# Altium PCB MD2084.PcbDoc (part 2 of 4) (continued)
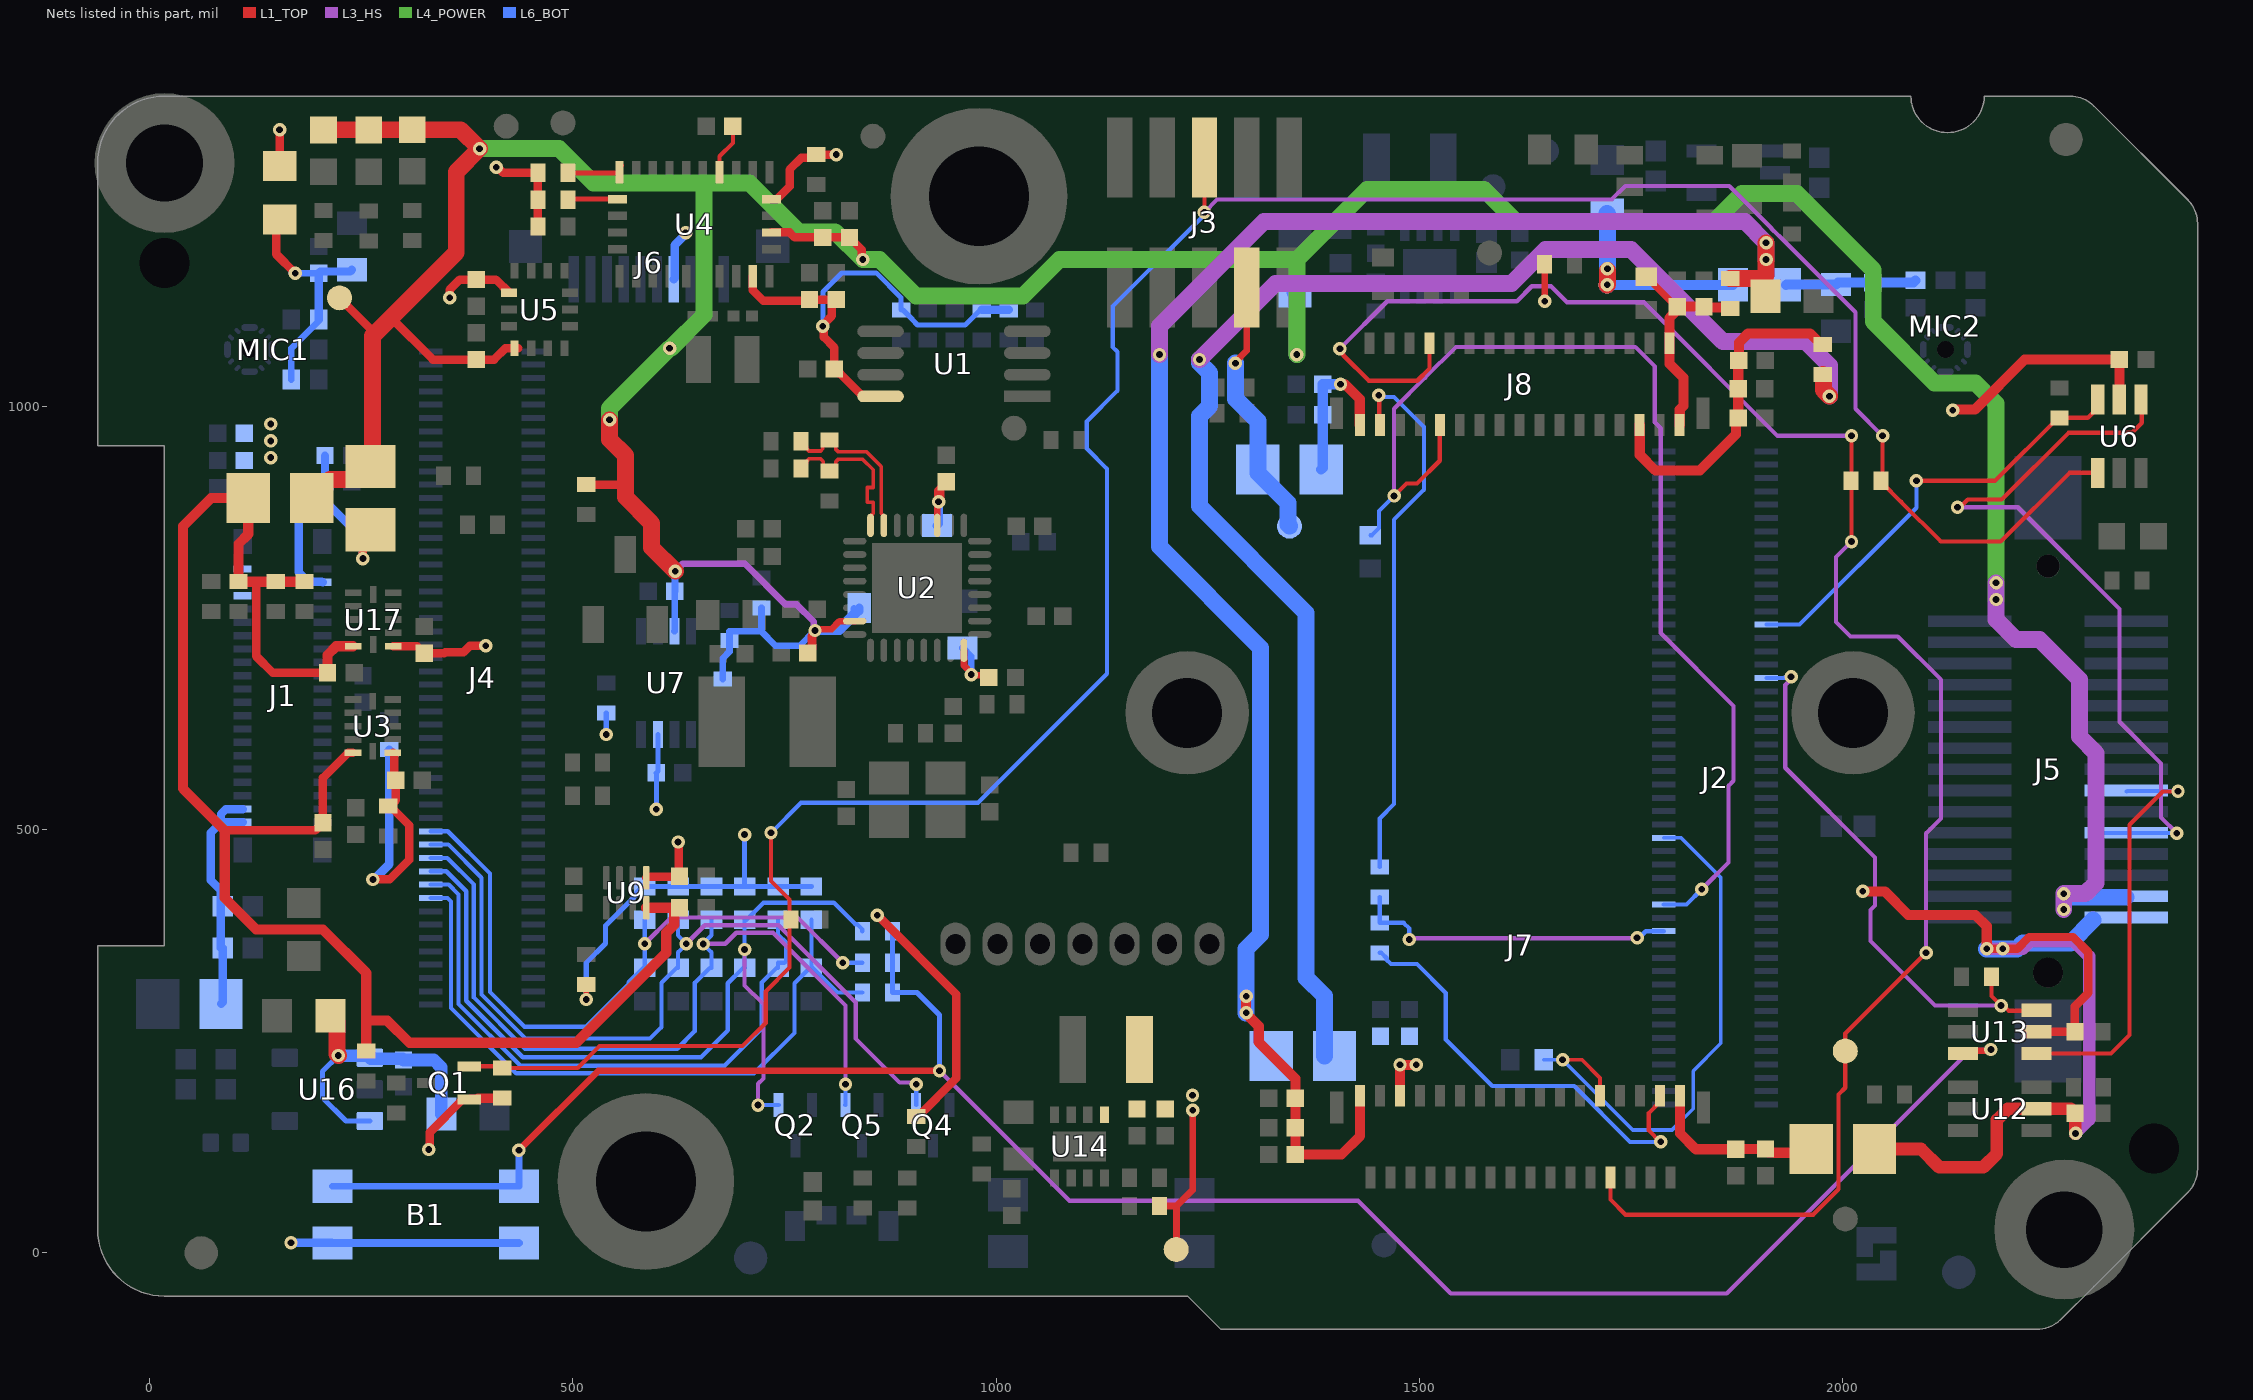
[diagram p6: the nets of this part, all layers, seen from the top]
## Part data (continued)
J9: library part CMP-00063-2, "Board Connector, 7 Contact(s), 1 Row(s), Female, Straight, 0.05 inch Pitch, Solder Terminal, Black Insulator, Socket", Contact Resistance=10mR, Insulation Color=Black, Manufacturer Series=SMS, Max Operating Temperature=125°C, Min Operating Temperature=-65°C, Rated Current (Signal)=1A, Additional Feature="TIGER BUY CONTACT", Body Breadth=0.1inch, Body Depth=0.18inch, Body Length=0.35inch, Body/Shell Style=SOCKET, Connector Type="BOARD CONNECTOR", Contact Finish - Mating="GOLD (30) OVER NICKEL (50)", Contact Finish - Termination="Tin (Sn) - with Nickel (Ni) barrier", Contact Gender=Female, Contact Material=Bronze, Contact Pattern=RECTANGULAR, Contact Style="SQ PIN-SKT", DIN Conformance=No, Filter Feature=No, IEC Conformance=No, Insertion Force-Max=2.224N, Insulation Material=Glass, JESD-609 Code=e3, Manufacturer Part Number 1=SMS-107-01-G-S, Mating Contact Pitch=0.05inch, Mating Information="MULTIPLE MATING PARTS AVAILABLE", MIL Conformance=No, Mixed Contacts=No, Mounting Style=STRAIGHT, Mounting Technology=Board, Number Of Connectors=1, Number of Contacts=7, Number Of PCB Rows=1, Number of Rows Loaded=1, Option="General Purpose", PCB Contact Pattern=RECTANGULAR, Pins=7, Plating Thickness=30uin, Reach SVHC Compliant=Yes, Reference Standard=UL, Reliability=COMMERCIAL, RoHS Compliant=Yes, System=connector, Terminal Length=0.115inch, Terminal Pitch=1.27mm, Termination=Solder, Withdrawl Force-Min=1.668N
L1: library part CMP-006-00079-1, "Inductor Power Chip Wirewound 2.2uH 20% 100KHz Ferrite 1.6A 0.078Ohm DCR 1210 T/R", Case/Package=Nonstandard, Current Rating=1.6A, Manufacturer 1="Taiyo Yuden", Saturation Current=1.85A, Self Resonant Frequency=150MHz, Tolerance=20%, Manufacturer Part Number 1=BRL3225T2R2M
L2 L4: library part CMP-082-000001-2, "FIXED IND 1UH 3.2A 42 MOHM SMD", Case/Package=1008, Current Rating=4.3A, Manufacturer=Murata, Manufacturer Part Number=DFE252012P-1R0M=P2, Tolerance=20%, Manufacturer 1=Murata, Manufacturer 2=Murata, Manufacturer 3=Murata, Manufacturer 4=Murata, Manufacturer Part Number 1=DFE252012P-1R0M=P2, Manufacturer Part Number 2=DFE252012P-1R0M=P2, Manufacturer Part Number 3=DFE252012P-1R0M=P2, Manufacturer Part Number 4=DFE252012P-1R0M=P2
L3 L5: library part CMP-009-000002-2, "FERRITE BEAD 120 OHM 0603 1LN", Case/Package=0603, Current Rating=2A, Manufacturer 1=Murata, Tolerance=25%, Manufacturer Part Number 1=BLM18PG121SN1D
MH1: library part CMP-014-000015-1, "MP ROUND STANDOFF M2X0.4 STEEL 3MM", Manufacturer 1="Wurth Electronics", ComponentLink1Description=http://www.mouser.com/ds/2/445/9774030243R-611455.pdf?src-supplier=Mouser, ComponentLink1URL=http://www.mouser.com/ds/2/445/9774030243R-611455.pdf?src-supplier=Mouser, ComponentLink2Description=http://www.farnell.com/datasheets/1960368.pdf?src-supplier=Farnell, ComponentLink2URL=http://www.farnell.com/datasheets/1960368.pdf?src-supplier=Farnell, ComponentLink3Description=https://katalog.we-online.de/em/datasheet/9774030243R.pdf?src-supplier=Digi-Key, ComponentLink3URL=https://katalog.we-online.de/em/datasheet/9774030243R.pdf?src-supplier=Digi-Key, ComponentLink4Description=http://www.farnell.com/datasheets/1960368.pdf?src-supplier=Newark, ComponentLink4URL=http://www.farnell.com/datasheets/1960368.pdf?src-supplier=Newark, ComponentLink5Description=http://www.farnell.com/datasheets/1960368.pdf?src-supplier=Element14, ComponentLink5URL=http://www.farnell.com/datasheets/1960368.pdf?src-supplier=Element14, Design Item ID=9774030243R, Length=0.173inch, Manufacturer Part Number 1=9774030243R, Material=Steel, Outside Diameter=0.171inch, Plating=Tin, Pricing 1="1=0.95000, 10=0.91800, 50=0.79500, 100=0.73900 (USD)", REACH SVHC=Unknown, RoHS=Yes, Source=LuxonisMaster.SchLib, Stock 1=20568, Threaded/Unthreaded=Threaded
MIC1 MIC2: library part CMP-104-000003-3, "60Hz ~ 20kHz Digital, I2S Microphone MEMS _Silicon_ 1.65V ~ 3.63V Omnidirectional _-26 ±1dB @ 94dB SPL_ Solder Pads", Manufacturer 1="TDK InvenSense", Category=Microphones, Design Item ID=ICS-43434, Manufacturer Part Number 1=ICS-43434
MTG1: library part CMP-090-000000-4, "Spacers/Standoffs", Manufacturer 1="Wurth Electronics", Manufacturer Part Number 1=9774030943R
Q1 Q2 Q4 Q5: library part CMP-120-000001-2, "MOSFET N-CH 20V 0.2A EMT3", Case/Package=SOT-89, Continuous Drain Current=200mA, Manufacturer 1=Rohm, Max Drain to Source Voltage=20V, Design Item ID=RE1C002UNTCL, Manufacturer Part Number 1=RE1C002UNTCL
Q3: library part CMP-074-000000-4, "TRANS PREBIAS NPN 200MW SOT23-3", Case/Package=SOT-23-3, Continuous Drain Current=100mA, Manufacturer 1=Diodes, Max Drain to Source Voltage=50V, Design Item ID=DDTC114YCA-7-F, Manufacturer Part Number 1=DDTC114YCA-7-F
R1: library part CMP-009-00009-15, "RES SMD 1K OHM 1% 0.1W 0402", Case/Package=0402, Manufacturer 1=Panasonic, Max Operating Temperature=155°C, Min Operating Temperature=-55°C, Power Rating=100mW, Tolerance=1%, Voltage Rating=50V, Manufacturer Part Number 1=ERJ-2RKF1001X
R2 R82: library part CMP-013-000016-9, "RES SMD 4.7K OHM 1% 1/16W 0402", Case/Package=0402, Manufacturer 1=Yageo, Max Operating Temperature=155°C, Min Operating Temperature=-55°C, Power Rating=62.5mW, Tolerance=1%, Voltage Rating=50V, Design Item ID=RC0402FR-074K7L, Manufacturer Part Number 1=RC0402FR-074K7L
R3 R32: library part CMP-013-000004-10, "RES SMD 1K OHM 1% 1/16W 0402", Case/Package=0402, Manufacturer 1=Yageo, Max Operating Temperature=155°C, Min Operating Temperature=-55°C, Power Rating=62.5mW, Tolerance=1%, Voltage Rating=50V, Design Item ID=RC0402FR-071KL, Manufacturer Part Number 1=RC0402FR-071KL
R4 R11 R12 R13 R14 R15 R16 R20 R21 R22 R23 R24 R25 R27 R29 R30 R31 R33 R34 R35 R37 R38 R39 R40 R41 R46 R49 R50 R52 R53 R56 R57 R61 R63 R64 R65 R71 R73 R76 R83: library part CMP-115-000004-8, "RES SMD 10K OHM 1% 1/16W 0402", Case/Package=0402, Manufacturer 1=Yageo, Max Operating Temperature=155°C, Min Operating Temperature=-55°C, Power Rating=62.5mW, Temperature Coefficient=100ppm/°C, Tolerance=1%, Voltage Rating=50V, Design Item ID=RC0402FR-1310KL, Manufacturer Part Number 1=RC0402FR-1310KL
R5: library part CMP-009-00231-10, "RES SMD 649 OHM 1% 1/16W 0402", Case/Package=0402, Manufacturer 1=YAGEO, Tolerance=1%, Voltage Rating=50V, Manufacturer Part Number 1=RC0402FR-07649RL
R6 R7 R44 R77 R80: library part CMP-013-000029-9, "RES SMD 470 OHM 1% 1/16W 0402", Case/Package=0402, Manufacturer 1=Vishay, Max Operating Temperature=155°C, Min Operating Temperature=-55°C, Power Rating=63mW, Tolerance=1%, Voltage Rating=50V, Design Item ID=CRCW0402470RFKED, Manufacturer Part Number 1=CRCW0402470RFKED
R8 R9: library part CMP-013-000012-8, "RES SMD 22 OHM 1% 1/16W 0402", Case/Package=0402, Manufacturer 1=Yageo, Max Operating Temperature=155°C, Min Operating Temperature=-55°C, Power Rating=62.5mW, Tolerance=1%, Design Item ID=RC0402FR-0722RL, Manufacturer Part Number 1=RC0402FR-0722RL
R10 R54 R59: library part CMP-115-000004-8, "RES SMD 10K OHM 1% 1/16W 0402", Case/Package=0402, Manufacturer 1=Yageo, Manufacturer Part Number 1=RC0402FR-1310KL, Max Operating Temperature=155°C, Min Operating Temperature=-55°C, Power Rating=62.5mW, Temperature Coefficient=100ppm/°C, Tolerance=1%, Voltage Rating=50V, Design Item ID=RC0402FR-1310KL
R17 R18 R19 R60 R72 R84 R108 R114: library part CMP-013-000022-11, "RES SMD 0 OHM 5% 1/16W 0402", Case/Package=0402, Manufacturer 1=Vishay, Max Operating Temperature=155°C, Min Operating Temperature=-55°C, Power Rating=63mW, Tolerance=5%, Voltage Rating=50V, Design Item ID=CRCW04020000Z0ED, Manufacturer Part Number 1=CRCW04020000Z0ED
R26 R58 R66 R69 R75 R78: library part CMP-115-000011-7, "RES SMD 0 OHM 5% 1/10W 0603", Case/Package=0603, Manufacturer 1=Vishay, Manufacturer Part Number 1=CRCW0603-0000Z0EA, Max Operating Temperature=155°C, Min Operating Temperature=-55°C, Power Rating=100mW, Temperature Coefficient=100ppm/°C, Tolerance=5%, Voltage Rating=75V, Design Item ID=CRCW06030000Z0EA
R28 R36: library part CMP-115-000016-6, "RES SMD 49.9 OHM 1% 1/16W 0402", Case/Package=0402, Manufacturer 1=Yageo, Max Operating Temperature=155°C, Min Operating Temperature=-55°C, Power Rating=62.5mW, Temperature Coefficient=100ppm/°C, Tolerance=1%, Voltage Rating=50V, Design Item ID=RC0402FR-0749R9L, Manufacturer Part Number 1=RC0402FR-0749R9L
R42: library part CMP-013-000005-8, "RES SMD 1M OHM 1% 1/16W 0402", Case/Package=0402, Manufacturer 1=Yageo, Max Operating Temperature=155°C, Min Operating Temperature=-55°C, Power Rating=63mW, Tolerance=1%, Voltage Rating=50V, Design Item ID=RC0402FR-071ML, Manufacturer Part Number 1=RC0402FR-071ML
R43: library part CMP-115-000015-6, "RES SMD 2.49K OHM 1% 1/16W 0402", Case/Package=0402, Manufacturer 1=Yageo, Max Operating Temperature=155°C, Min Operating Temperature=-55°C, Power Rating=62.5mW, Temperature Coefficient=100ppm/°C, Tolerance=1%, Voltage Rating=50V, Design Item ID=RC0402FR-072K49L, Manufacturer Part Number 1=RC0402FR-072K49L
R45 R51 R62 R85 R86 R87 R88 R89 R90: library part CMP-013-000022-11, "RES SMD 0 OHM 5% 1/16W 0402", Case/Package=0402, Manufacturer 1=Vishay, Manufacturer Part Number 1=CRCW04020000Z0ED, Max Operating Temperature=155°C, Min Operating Temperature=-55°C, Power Rating=63mW, Tolerance=5%, Voltage Rating=50V, Design Item ID=CRCW04020000Z0ED
R47 R48 R79 R81: library part CMP-013-000013-8, "RES SMD 2.2K OHM 1% 1/16W 0402", Case/Package=0402, Manufacturer 1=Yageo, Max Operating Temperature=155°C, Min Operating Temperature=-55°C, Power Rating=63mW, Tolerance=1%, Voltage Rating=50V, Design Item ID=RC0402FR-072K2L, Manufacturer Part Number 1=RC0402FR-072K2L
R55: library part CMP-013-000009-9, "RES SMD 15K OHM 1% 1/16W 0402", Case/Package=0402, Manufacturer 1=Yageo, Manufacturer Part Number 1=RC0402FR-0715KL, Max Operating Temperature=155°C, Min Operating Temperature=-55°C, Power Rating=62.5mW, Tolerance=1%, Voltage Rating=50V, Design Item ID=RC0402FR-0715KL
R67: library part CMP-013-000049-8, "RES SMD 300K OHM 1% 1/16W 0402", Case/Package=0402, Manufacturer 1=Yageo, Max Operating Temperature=155°C, Min Operating Temperature=-55°C, Power Rating=63mW, Tolerance=1%, Voltage Rating=50V, Design Item ID=RC0402FR-07300KL, Manufacturer Part Number 1=RC0402FR-07300KL
R68: library part CMP-013-000015-9, "RES SMD 47K OHM 1% 1/16W 0402", Case/Package=0402, Manufacturer 1=Yageo, Max Operating Temperature=155°C, Min Operating Temperature=-55°C, Power Rating=62.5mW, Tolerance=1%, Voltage Rating=50V, Design Item ID=RC0402FR-0747KL, Manufacturer Part Number 1=RC0402FR-0747KL
R70: library part CMP-009-00213-16, "RES SMD 24K OHM 1% 1/16W 0402", Case/Package=0402, Manufacturer 1=YAGEO, Power Rating=62.5mW, Tolerance=1%, Manufacturer Part Number 1=RC0402FR-0724KL
R74: library part CMP-00048-2, "RES SMD 9.1K OHM 1% 1/16W 0402", Case/Package=0402, Manufacturer 1=Vishay, Max Operating Temperature=155°C, Min Operating Temperature=-55°C, Package Height=0.35mm, Package Length=1mm, Package Shape=Rectangular, Package Style=SMTMeter, Package Width=0.5mm, Power=63mW, Rated Temperature=70°C, Resistor Type="FIXED RESISTOR", Temperature Coefficient=100ppm/°C, Tolerance=1%, Working Voltage=50V, Construction=Chip, JESD-609 Code=e3, Manufacturer Part Number 1=CRCW04029K10FKED, Mounting Technology="Surface Mount", Packaging="Tape and Reel", Pins=2, Reach SVHC Compliant=Yes, Reference Standard=AEC-Q200, RoHS Compliant=Yes, Technology="METAL GLAZE/THICK FILM", Terminal Finish=Nickel, Termination=Wraparound
TP1 TP4 TP10: library part CMP-015-000000-2, Manufacturer Part Number 1=/, Design Item ID=TEST_POINT, Source=LuxonisMaster.SchLib
TP2 TP3 TP5 TP6 TP7 TP8 TP9 TP11 TP12 TP13: library part CMP-015-000000-5, Manufacturer Part Number 1=/, Design Item ID=TEST_POINT, Source=LuxonisMaster.SchLib
TP-SH1: library part CMP-249-000001-3, Manufacturer Part Number 1=/, Design Item ID=TEST_SHORT, Source=DM9098.SchLib
U1: library part CMP-010-000010-2, "IC EEPROM 32K I2C 400KHZ 8MSOP Memory IC 32Kb (4K x 8) I²C 400kHz 900ns 8-MSOP", Case/Package=MSOP, Frequency=400kHz, Manufacturer 1=Microchip, Manufacturer Part Number 1=24AA32A-I/MS, Memory Size=32Kb, Pins=8
U2: library part CMP-113-000000-3, "IC ETHERNET/PCIe PHY Realtek", Manufacturer 1=Realtek, Manufacturer Part Number 1=RTL8111HS-CG
U3 U17: library part CMP-163-000000-6, "Voltage Level Translator Bidirectional 1 Circuit 4 Channel 50Mbps 12-XQFN _2x1.7_", Manufacturer 1="NXP USA", Manufacturer Part Number 1=NTS0104GU12,115
U4: library part CMP-010-00028-1, "Accelerometer, Gyroscope, Magnetometer, 9 Axis Sensor I²C, SPI, UART Output", Manufacturer 1="CEVA Technologies, Inc.", Manufacturer Part Number 1=BNO086
U5: library part CMP-061-000001-3, "Accelerometer, Gyroscope, 6 Axis Sensor IÂ²C, SPI Output", Manufacturer 1="Bosch Sensortec", Manufacturer Part Number 1=BMI270
U6 U12 U13: library part CMP-010-000023-3, "IC SWITCH SPDT SC70-6 1 Circuit IC Switch 2:1 15Ohm SC-70-6", Case/Package=SC, Manufacturer 1="Texas Instruments", Max Operating Temperature=125°C, Min Operating Temperature=-40°C, Manufacturer Part Number 1=SN74LVC1G3157DCKR
U7: library part CMP-113-000005-2, "TEXAS INSTRUMENTS - TXS0102DCUR - IC, TRANSLATOR, 2 BIT, BI, US-8", Case/Package=VSSOP, Manufacturer 1="Texas Instruments", Max Operating Temperature=85°C, Max Output Current=1A, Max Supply Voltage=5.5V, Min Operating Temperature=-40°C, Min Supply Voltage=1.65V, Manufacturer Part Number 1=TXS0102DCUR, Pins=8
U8 U14: library part CMP-010-000007-4, "IC REG BUCK ADJ 1.2A SYNC 8WSON", Manufacturer 1="Texas Instruments", Manufacturer Part Number 1=TLV62080DSGR, Max Input Voltage=6V, Max Operating Temperature=125°C, Max Output Current=1.2A, Max Output Voltage=4V, Max Supply Voltage=5.5V, Min Input Voltage=2.5V, Min Operating Temperature=-40°C, Min Output Voltage=500mV, Min Supply Voltage=2.5V, Output Voltage=4V, Vfb/Vout=450mV
U9: library part CMP-015-00002-5, "IC TRANSLATOR VOLTAGE 8-X2SON", Manufacturer 1="Texas Instruments", Manufacturer Part Number 1=TXS0102DQMR, Pins=8
U10: library part CMP-113-000003-2, "IC REG LINEAR 1.8V 200MA SC70-5 Linear Voltage Regulator IC  1 Output  200mA SC-70-5", Case/Package=SC, Manufacturer 1="Texas Instruments", Manufacturer Part Number 1=TLV70018DCKR, Max Operating Temperature=125°C, Max Output Current=200mA, Max Output Voltage=1.8V, Max Supply Voltage=5.5V, Min Operating Temperature=-40°C, Min Supply Voltage=2V, Min Output Voltage=1.8V, Pins=5
U16: library part CMP-00024-8, "LDO Regulator Pos 4.7V 0.15A 5-Pin SOT-23 T/R", Case/Package=SOT-23-5, Current Rating=150A, Dropout Voltage=60mV, Manufacturer 1="Texas Instruments", Manufacturer Part Number 1=LP3985IM5-4.7/NOPB, Max Input Voltage=6V, Max Operating Temperature=125°C, Max Output Current=150mA, Max Power Dissipation=250mW, Max Supply Current=250uA, Min Current Limit=300mA, Min Input Voltage=2.5V, Min Operating Temperature=-40°C, Min Output Voltage=4.7V, Package Quantity=1000, Power Supply Rejection Ratio (PSRR)=40dB, Quiescent Current=150uA, Accuracy=2%, Lead Free="Contains Lead", Max Supply Voltage=6V, Mounting Technology="Surface Mount", Number of Outputs=1, Number of Regulators=1, Output Configuration=Positive, Output Current=150mA, Output Type=Fixed, Output Voltage=4.7V, Packaging="Tape and Reel", Pins=5, Polarity=Positive, Radiation Hardening=No, RoHS Compliant=No, Series=-, Vfb/Vout=1V
U20: library part CMP-019-00055-5, "Adjustable Positive LDO Regulator, 0.8V Min, 5V Max, PDSO5", Manufacturer 1=Diodes, Max Input Voltage=6V, Max Output Current=600mA, Min Input Voltage=2.2V, Output Voltage=800mV, Manufacturer Part Number 1=AP7366-W5-7, Max Supply Voltage=6V, Min Supply Voltage=2.2V, Output Current=600mA, Pins=5, Vfb/Vout=800mV
X1: library part CMP-006-000002-2, "CRYSTAL 25.0000MHZ 18PF SMD 25MHz ±10ppm Crystal 18pF 50 Ohms 4-SMD, No Lead", Frequency=25MHz, Manufacturer 1="ECS International", Manufacturer Part Number 1=ECS-250-18-36B-CKY-TR
Y1: library part CMP-006-000001-2, "CRYSTAL 32.768kHz ±20ppm Crystal 12.5pF 90 kOhms 2-SMD, No Lead", Case/Package=SMD/SMT, Frequency=32.768kHz, Manufacturer 1=Abracon, Max Operating Temperature=85°C, Min Operating Temperature=-40°C, Tolerance=20ppm, Manufacturer Part Number 1=ABS06-127-32.768KHZ-T

## Free pads (board coordinates)
  round 51.18 hole 59.06 unplated: 3(17.48,1169.25) 3(2367.87,123.27)
  round 165.35 hole 90.55 mask+4: ""(17.56,1287.24) ""(2261.65,27.4)

## Via types
v1: diameter 15.83, hole 7.91, L1_TOP to L6_BOT, tented both sides, 554 vias
v2: diameter 15.98, hole 7.99, L1_TOP to L6_BOT, tented both sides, 23 vias
v3: diameter 20, hole 10, L1_TOP to L6_BOT, 4 vias
v4: diameter 15.83, hole 7.91, L1_TOP to L6_BOT, 4 vias

## Nets (pads, with @x,y where several pads share a name; then routed paths per layer and width w, separated by ;. In a path a pad name is that pad's centre, name@x,y a point inside that pad or via, vN(x,y) a via of type N, cw(c..) or ccw(c..) an arc to the next point about the centre after c; other vN are vias at no path point)
1V1: C58.2 C59.2 FB6.1 L4.2 R55.2 TP6.1 U14.5 | length 192.3
  L1_TOP w8: R55.2@1193.13,55.19 1213,55.19 ; TP6.1@1212.6,3.94 1213,4.34 1213,55.19 ; v1(1232.12,168.26) 1232.12,74.31 1213,55.19
  other v1: 1231.94,186.19
1V1_: C25.2 C105.2 C106.2 J8.29 R86.2 | length 387.3
  L1_TOP w12: J8.29@1760.16,977.72 1760.16,942.52 1778.69,924 1831,924 1873.8,966.8 1873.8,983.27 C105.2@1876.54,986 C106.2@1876.54,1020.45 C25.2@1876.54,1048.54 ; C25.2@1877.11,1054 1877.11,1057.82 1877.53,1058.24 1877.53,1075.21 1888.32,1086 1961.24,1086 1974.41,1072.83 R86.2@1976.38,1072.83
1V1_CCM: C83.2 C84.2 FB6.2 J7.29 R86.1 | length 1869.3
  L1_TOP w12: J7.29@1477.17,185.3 1477.07,185.4 1477.07,196.02 1477,196.09 v1(1477,222) v1(1496.06,222)
  L1_TOP w20: R86.1@1976.38,1037.4 1977.2,1036.57 1977.2,1018.86 v1(1984.25,1011.81)
  L3_HS w20: v1(1240.16,1055.15) 1330.01,1145 1608.65,1145 1648.69,1185.04 1749.63,1185.04 1858.22,1076.44 1955.75,1076.44 1984.25,1047.94 v1(1984.25,1011.81)
  L6_BOT w20: v1(1240.16,1055.15) 1240.25,1055.05 1240.25,1051.18 1251.97,1039.47 1251.97,1000 1240.16,988.19 1240.16,881.89 1366.14,755.91 1366.14,324.8 1387.8,303.15 FB6.2@1387.8,232.28
1V8: B1.2 B1.4 C2.2 C21.2 C24.2 C26.2 C38.2 C39.2 C40.2 C44.2 C45.2 C52.2 C67.2 FB1.1 FB5.1 J3.7 J5.30 J6.7 L3.1 L5.1 Q1.1 R4.2 R10.2 R11.2 R12.2 R13.2 R14.2 R15.2 R16.2 R27.2 R29.2 R30.2 R31.2 R41.1 R47.1 R48.1 R50.2 R53.2 R64.2 R69.2 R71.2 R83.2 TP9.1 U1.8 U3.1 U4.5 U4.28 U5.5 U6.5 U7.3 U9.1 U12.5 U13.5 U17.1 | length 5015
  L1_TOP w6: v1(515.75,299.21) R50.2@515.75,316.93
  L1_TOP w8: v1(1282.6,1050.82) 1282.6,1052.18 1296,1065.58 J3.7@1296,1140.23 J3.7@1297,1141.23 ; v1@1647.98,1124.02 R10.2@1647.96,1167.72
  L1_TOP w10: L5.1@153.54,1283.46 v1(153.54,1326.54) ; v1(263.78,440.94) 283.46,440.94 306.46,463.94 306.46,505.09 R64.2@283.97,527.58 ; R64.2@282,527.58 R64.2@283.97,527.58 ; U3.1@287.4,590.55 287.99,590.55 289.06,589.49 289.06,559.65 C40.2@290.71,558 290.71,534.32 R64.2@283.97,527.58 ; U17.1@287.62,716.54 315.99,716.54 C67.2@324.27,708.25 348.28,708.25 349.4,709.37 370.79,709.37 378.42,717 v1(397,717) ; v1(329.75,122) 330.86,123.11 330.86,142.25 369.52,180.92 Q1.1@377.6,180.92 ; v1(354.47,1128) 354.47,1137.8 366.28,1149.61 409.11,1149.61 U5.5@424.78,1133.94 ; Q1.1@378.5,181.82 Q1.1@386.57,181.82 ; v1(409.45,1282.27) 411.03,1282.27 417.71,1275.59 R47.1@458.66,1275.59 R27.2@458.64,1212.19 ; U9.1@586.61,442.91 587.6,443.9 625,443.9 C45.2@625.98,444.88 625.12,445.74 625.12,484.33 v1(624.26,485.19) ; U4.28@712.6,1153.54 712.68,1153.46 712.68,1136.87 724.73,1124.82 778.36,1124.82 C24.2@779.53,1125.98 C26.2@811.02,1125.98 805.79,1120.75 805.79,1106.58 795.28,1096.07 v1(795.28,1094.49) 796.39,1093.37 796.39,1081.59 808.75,1069.24 C2.2@808.75,1044 813.98,1038.76 815.57,1038.76 842.72,1011.61 U1.8@863.39,1011.61 ; U4.5@734.74,1244.59 740.98,1244.59 755.91,1259.51 755.91,1279.53 769.76,1293.39 783.54,1293.39 R4.2@787.4,1297.24 v1(811.02,1297.24) ; v1(859.63,398.63) 953,305.26 953,206.27 ; R71.2@905.47,160.72 907.44,160.72 953,206.27 ; 953,215 953,206.27 ; v1(2170,359) v2(2189,359) 2206.1,359 2220.1,373 2272,373 2290,355 2290,307 2274.25,291.25 C52.2@2274.25,261 U13.5@2228.61,261 ; Q1.1@386.57,181.82 415.44,181.82 R53.2@416.5,182.88 387.64,182.88 Q1.1@386.57,181.82
  L1_TOP w12: v1(2023.62,427.07) 2023.82,426.86 2049.54,426.86 2077.4,399 2156.61,399 2170,385.61 v1(2170,359) ; v1(2129.91,995.28) 2130.57,995.94 2155.83,995.94 2215,1055.12 C38.2@2326.77,1055.12 U6.5@2326.77,1007.87
  L1_TOP w15: FB1.1@2037.4,122.61 2092.41,122.61 2114.02,101 2166,101 2182,117 2182,157 2195,170 2269.25,170 2274.63,164.63 2274.63,141.37 v1(2275,141)
  L1_TOP w20: v1(1721.62,1143.33) 1722,1143.71 v1@1722,1160.33
  L3_HS w15: v1(2170,359) v2(2189,359) 2212.27,359 2221.27,368 2273,368 2291,350 2291,157.4 2275,141.4 v1(2275,141)
  L6_BOT w6: v1(515.75,299.21) 515.75,342.52 538.5,365.27 538.5,386.29 575.09,422.88 575.09,424.85 582.92,432.68 R12.2@624.26,432.68 R15.2@742.37,432.68 R16.2@781.74,432.68 ; v1(539.37,612.2) R41.1@539.37,637.63 ; v1(598.59,523.79) 598.59,566.76 C21.2@598.43,566.93 600.39,568.9 U7.3@600.39,612.2 ; v1(702.81,494) 702.81,432.87 R14.2@703,432.68 ; v1(795.28,1094.49) 795.28,1134.85 817.9,1157.48 858.27,1157.48 887.69,1128.06 887.69,1114.03 R29.2@888,1113.72 889.97,1113.72 901.17,1102.51 901.17,1101.96 907.13,1096 963.31,1096 981.03,1113.72 R30.2@983,1113.72
  L6_BOT w10: v1(167,12) 215.3,12 B1.2@215.76,11.54 B1.4@436.24,11.54 ; v1@264,440 283,459 R83.2@283,594.28 ; J6.7@619.11,1150 620.11,1151 620.11,1190.18 633.09,1203.15 v1(633.09,1204.72) ; R30.2@983,1113.72 R31.2@1015,1113.72 ; TP9.1@1346.46,858.27 TP9.1@1350.19,854.53
  L6_BOT w12: v1(1721.62,1143.33) L3.1@1870.08,1143.33
  L6_BOT w20: v1(1282.6,1050.82) 1282.6,1008.74 1309.06,982.28 FB5.1@1309.06,925.2 1309.06,921.26 1344.63,885.68 1344.63,860.09 TP9.1@1346.46,858.27 ; v1(1721.62,1143.33) 1722,1143.71 v1(1722,1162.33) 1722,1227.33 R69.2@1721.62,1227.7 ; v1(2170,359) v2(2189,359) 2205.6,359 2212.6,366 2268.9,366 J5.30@2295.79,392.89
  other v1: 1648,1124
1V8_378: C79.2 C80.2 FB5.2 J8.1 | length 183.3
  L1_TOP w12: v1(1406.74,1026) 1407.47,1025.27 1412.71,1025.27 1429.46,1008.52 J8.1@1429.46,977.72
  L6_BOT w12: FB5.2@1383.86,925.2 1385.75,927.09 1385.75,953.28 C79.2@1385.75,990 C80.2@1385.75,1026 v1(1406.74,1026)
1V8_462: C107.2 C108.2 FB1.2 J7.1 | length 210.6
  L1_TOP w12: J7.1@1807.87,185.3 1807.87,140.94 1826.46,122.35 C108.2@1873.77,122.35 1873.9,122.48 1908.65,122.48 C107.2@1908.77,122.61 1913.01,118.37 1919.78,118.37 1920.04,118.11 1958.1,118.11 FB1.2@1962.6,122.61
1V8_MIC_1L: C53.2 C54.2 L3.2 MIC2.5 | length 154.9
  L6_BOT w12: L3.2@1933.07,1143.33 1933.52,1143.78 C53.2@1992.13,1143.78 1994.53,1146.18 2083.43,1146.18 MIC2.5@2085.83,1148.58
1V8_MIC_1R: C55.2 C62.2 L5.2 MIC1.2 MIC1.5 | length 276.4
  L1_TOP w10: L5.2@149.61,1212.6 149.61,1179.46 v1(171.94,1157.13)
  L6_BOT w8: MIC1.2@167.4,1031.5 167.4,1068.46 199.76,1100.83 MIC1.5@199.76,1102.36 ; v1@168,1157.13 C62.2@199.76,1157.13
  L6_BOT w10: MIC1.5@199.76,1102.36 C62.2@199.76,1157.13 201.73,1159.09 237.03,1159.09 C55.2@239,1161.06
2V9: C27.2 C109.2 C110.2 J7.33 R75.2 R87.1 | length 2124.6
  L1_TOP w12: v1(1295.28,303.15) 1295.28,282.43 1310.19,267.52 1310.19,248.87 1353.39,205.66 C27.2@1353.39,147.88 C110.2@1353.39,116 1407.92,116 1429.92,138 J7.33@1429.92,185.3
  L1_TOP w20: R87.1@1867,1151.04 1905.54,1151.04 1907.5,1153 ; R75.2@1907.5,1130 1907.5,1153 ; v1(1909.39,1173.33) 1909.39,1154.89 1907.5,1153 ; 1909.39,1183.27 1909.45,1183.22 1909.45,1173.23 1909.45,1192.86 v1(1909.39,1192.91)
  L3_HS w20: v1(1192.91,1061) 1192.91,1094.49 1316.43,1218 1884.3,1218 v1(1909.39,1192.91) v1(1909.39,1173.33)
  L6_BOT w20: v1(1192.91,1061) 1192.91,834.09 1312.43,714.57 1312.43,376 1295.28,358.85 v1(1295.28,283.46)
2V9_: C81.2 C82.2 J8.32 J8.33 R61.2 R87.2 | length 266
  L1_TOP w8: R61.2@1767.68,1153 1769.65,1153 1776.48,1146.18 1776.48,1144.21 1796.88,1123.81 1798.31,1123.81 C82.2@1804.54,1117.57
  L1_TOP w12: J8.33@1807.41,977.72 1807.5,977.82 1807.5,996.17 1811.91,1000.58 1811.91,1033.51 1795.3,1050.12 J8.32@1795.3,1074.18 1795.3,1104.33 1808.54,1117.57 C81.2@1836,1117.57 1836.98,1116.59 1866.02,1116.59 R87.2@1867,1115.6
3V3: C3.2 C4.2 C5.2 C6.2 C9.2 C10.2 C11.2 C12.2 C22.2 C33.2 D1.2 D4.2 D5.2 FB2.1 FB4.1 J5.29 J6.9 R37.2 R38.2 R39.2 R40.2 R66.2 TP5.1 U2.11 U2.23 U2.32 U4.3 U5.8 U7.7 | length 5683.5
  L1_TOP w8: C6.2@781.02,711.92 781.02,727.9 ; v1(786,735) 787.5,736.5 805.62,736.5 815.15,746.03 832.81,746.03 U2.23@832.87,746.09 ; U2.11@930.32,859.28 930.32,900.04 C12.2@934.71,904.44 ; v2(932,887) 932,889.16 934.71,891.87 C12.2@934.71,904.44 ; C12.2@940.94,910.67 C12.2@934.71,904.44 ; U2.32@961.81,711.64 U2.32@961.81,711.64 961.87,693.79 970.55,685.11 v1(970.55,682.99) 971.33,682.21 990.47,682.21 C11.2@991.25,681.43
  L1_TOP w10: TP5.1@224.41,1128 263.4,1089.01 263.4,1082.68 ; 285.24,1104.52 334.65,1055.12 C33.2@385.83,1055.12 407,1055.12 420.29,1068.41 U5.8@435.53,1068.41 ; R37.2@515.75,907.32 561.93,907.32 ; U4.3@734.74,1205.22 755.91,1205.22 761.81,1199.31 C4.2@795.28,1199.31 C3.2@826.77,1199.31 841.4,1184.68 841.4,1174.34 v1(842.52,1173.23) ; C6.2@777.48,708.39 781.02,711.92 782.72,713.62 782.72,730.14 786,733.42 v1(786,735)
  L1_TOP w20: FB2.1@191.4,891.39 191.4,895.32 206.99,910.91 210.93,910.91 213.21,913.2 245.19,913.2 FB4.1@260.87,928.88 ; D1.2@205.61,1325.94 D1.2@205.32,1326.22 205.64,1326.54 D4.2@310.32,1326.54 367.41,1326.54 v1(389.76,1304.19) 362.2,1276.63 362.2,1181.48 285.24,1104.52 263.4,1082.68 FB4.1@263.4,928.79 ; v1(543.31,984) 543.31,960.63 561.93,942.01 561.93,907.32 561.93,892.79 593,861.72 593,833 v1(621,805)
  L3_HS w8: v1(621,805) 630,814 703,814 751,766 764,766 784.5,745.5 784.5,736.5 v1(786,735)
  L3_HS w20: v1(2181.1,791.34) 2181.1,748.03 2204.72,724.41 2232.28,724.41 2279.53,677.17 2279.53,609.77 2299.21,590.09 2299.21,437.01 2286.37,424.16 v1(2261,424.16) v1(2261,405.51)
  L4_POWER w20: v1(389.76,1304.19) 483.73,1304.19 524.12,1263.8 655,1263.8 ; v1(543.31,984) 543.31,997.54 v1(614.17,1068.41) 615.65,1068.41 655,1107.76 655,1263.8 ; v1(1355,1061) 1355.23,1061.23 1355.23,1173.23 ; v1(2181.1,771.65) v1(2181.1,791.34) 2181.1,1003.18 2156.72,1027.56 2108.44,1027.56 2036,1100 2036,1160.85 1945.85,1251 1881,1251 1848,1218 1614,1218 1576,1256 1438,1256 1355.23,1173.23 ; 655,1263.8 708.64,1263.8 766.44,1206 809.75,1206 v1(842.52,1173.23) 862.2,1173.23 905.43,1130 1031.57,1130 1074.8,1173.23 1355.23,1173.23
  L6_BOT w8: U7.7@620.08,734.25 620.28,734.45 620.28,781.13 C22.2@620.47,781.33 620.74,781.59 620.74,804.74 v1(621,805) ; R39.2@677,677.72 677,702 685.04,710.04 685.04,734.25 722.08,734.25 ; R38.2@722.83,761.81 722.83,735 722.08,734.25 ; v1(786,735) 768,717 739.33,717 722.08,734.25 ; 809.98,735 832.13,757.15 C5.2@832.13,761.09 ; C9.2@960,714.44 960.77,714.44 970.55,704.66 v1(970.55,682.99)
  L6_BOT w10: v1(614.17,1068.41) 657.48,1111.71 657.48,1149 J6.9@658.48,1150 ; v1(786,735) 809.98,735 815.25,735 838.12,757.87 C5.2@838.12,761.81 ; C10.2@930.03,858.98 932,860.95 v2(932,887)
  L6_BOT w20: R66.2@1353,1134.57 1355,1132.57 v1(1355,1061) ; v1@2265.2,419.96 J5.29@2334.53,419.96
3V3_FLASH: C35.2 C76.2 FB4.2 J1.22 | length 344.2
  L1_TOP w10: v1@250.89,821.11 v1(252,820) 252,845.03 FB4.2@260.96,853.98
  L6_BOT w10: J1.22@204.25,791.86 203.58,792.53 187.47,792.53 176,804 176,899.69 187,910.69 C76.2@207.17,910.69 ; C35.2@207.17,941.68 C76.2@207.17,910.69 ; v1(252,820) 252,843 207.17,887.83 C76.2@207.17,910.69
3V3_R: C34.2 C36.2 C37.2 C41.1 C50.1 C66.1 FB2.2 J1.18 J1.19 J1.20 R52.2 R79.2 R81.2 R82.2 U3.11 U9.8 U17.11 | length 1992.9
  L1_TOP w10: 88.8,498.85 195.7,498.85 C66.1@204.72,507.87 204.72,560.9 234.38,590.55 U3.11@240.16,590.55 ; 126.01,792.72 126.01,704.69 145.71,685 C41.1@210.17,685
  L1_TOP w12: R81.2@183,792.72 R79.2@149,792.72 126.01,792.72 R82.2@105,792.72 105,837.28 116.6,848.88 FB2.2@116.6,891.39 72.49,891.39 39.37,858.27 39.37,548.28 88.8,498.85 88.8,419.07 125.98,381.89 204.63,381.89 255.91,330.61 255.91,274.23 ; C41.1@210.17,685 210.17,706.17 220.54,716.54 U17.11@240.38,716.54 ; R52.2@255.91,238.19 255.91,274.23 ; U9.8@586.61,407.48 C50.1@625.98,407.48 619.75,401.24 619.75,387.46 610.24,377.95 610.24,354.33 503.94,248.03 307.09,248.03 280.89,274.23 255.91,274.23
  other v1: 143,939.3 143,959 143,979
4V7: C63.2 C75.1 FB3.2 J1.1 J1.2 | length 288.6
  L6_BOT w10: C75.1@84.3,360 84.3,397.46 84.28,428 72,440.28 72,496 84.32,508.32 ; FB3.2@84.4,294 86.28,295.88 C75.1@86.28,360 ; J1.1@109.76,508.39 84.39,508.39 84.32,508.32 ; J1.2@109.76,524.14 90.17,524.14 84.32,518.28 84.32,508.32
5V_CM: C23.2 R26.1 R58.2 U16.1 U16.3 | length 358.4
  L1_TOP w20: R26.1@213.5,280 221.21,272.28 221.21,234.79 v1(223,233)
  L6_BOT w6: v1(223,233) 204,214 204,183.51 231.92,155.6 U16.3@260.2,155.6
  L6_BOT w15: v1(223,233) 223.16,232.84 257.76,232.84 261.52,229.07 298.67,229.07 C23.2@300,227.75 335.78,227.75 344.5,219.02 R58.2@344.5,164
BOOT0/LED_G: J4.26 Q4.1 R12.1 R21.2 | length 1006.2
  L3_HS w5: v1(633.86,365) 655.81,386.95 742.97,386.95 834,295.92 834,253 886,201 903.56,201 v1(905.47,199.09)
  L6_BOT w5: J4.26@332.02,482.12 352.88,482.12 392,443 392,305.18 444.18,253 591.19,253 604.69,266.5 604.69,318.93 622.29,336.53 R21.2@624.26,336.53 624.26,354.85 633.86,364.45 v1(633.86,365) 633.86,365.38 624.26,374.98 R12.1@624.26,393.31 ; Q4.1@905.47,174.48 v1(905.47,199.09)
BOOT1/LED_B: J4.24 Q5.1 R13.1 R22.2 | length 968
  L3_HS w5: v1(653.96,364.72) 654.24,365 679.96,365 692.91,377.95 736.22,377.95 822,292.17 v1(822,199.09)
  L6_BOT w5: J4.24@332.02,466.37 351.63,466.37 383,435 383,301.46 443.46,241 623.19,241 644,261.81 644,318.87 661.66,336.53 R22.2@663.63,336.53 663.63,354.85 v1@653.69,364.8 ; v1(653.96,364.72) 653.96,365.42 663.63,375.09 R13.1@663.63,393.31 ; Q5.1@821.83,174.48 821.92,174.56 821.92,199 v1(822,199.09)
BOOT2/LED_R: J4.22 Q2.1 R14.1 R18.1 R23.2 | length 1051.4
  L3_HS w5: v1(702.81,358.27) 702.81,315.87 725,293.68 725,206 718.68,199.68 v1(718.68,174.48)
  L6_BOT w5: J4.22@332.02,450.62 350.38,450.62 374,427 374,297.73 398.86,272.86 440.73,231 651.19,231 682.93,262.74 682.93,318.42 701.03,336.53 R23.2@703,336.53 702.81,336.72 702.81,393.12 R14.1@703,393.31 ; R14.1@704.97,393.31 725.17,413.5 808.24,413.5 833.59,388.16 835.56,388.16 841.91,381.8 R18.1@841.91,379.83 ; v1(718.68,174.48) Q2.1@743.09,174.48
BOOT3: J4.20 R15.1 R24.2 | length 723.3
  L6_BOT w5: J4.20@332.02,434.87 353.4,434.87 365,423.27 365,294 438,221 679,221 723,265 723,319.13 740.4,336.53 R24.2@742.37,336.53 742.37,342.64 749.75,342.64 751.97,344.85 751.97,366.14 742.37,375.74 R15.1@742.37,393.31
BOOT4: J4.18 R16.1 R17.1 R25.2 | length 824.3
  L6_BOT w5: J4.18@332.02,419.13 351.87,419.13 356,415 356,289 433,212 714,212 761.69,259.69 761.69,318.45 779.77,336.53 R25.2@781.74,336.53 ; R16.1@781.74,393.31 R25.2@781.74,336.53 ; R17.1@841.87,307.49 812.75,307.49 783.71,336.53 R25.2@781.74,336.53
BOOT7: J4.28 R11.1 R19.1 R20.2 | length 809.4
  L3_HS w5: v1(584.89,365) 615.84,395.95 765.38,395.95 v1(818.69,342.64)
  L6_BOT w5: J4.28@332.02,497.87 352.13,497.87 402,448 402,307.91 442.96,266.96 515.69,266.96 565.87,317.14 565.87,319.48 582.92,336.53 R20.2@584.89,336.53 v1(584.89,365) R11.1@584.89,393.31 ; v1(818.69,342.64) R19.1@841.87,342.64
BOOT/I2S_IN_1V8: J5.24 U13.4 | length 501.9
  L1_TOP w5: U13.4@2228.61,235.41 2316.68,235.41 2338.64,257.36 2338.64,505.64 2378,545 v1(2396,545)
  L6_BOT w5: J5.24@2335.53,545 2336.03,545.5 2395.5,545.5 v1(2396,545)
BOOT/IN_SEL: J2.65 R57.2 U13.6 | length 659.7
  L1_TOP w5: R57.2@2175.72,326 2175.72,303.28 v1(2187,292) 2189.93,292 2195.93,286 2228.02,286 U13.6@2228.61,286.59
  L3_HS w5: v1(1938.93,680.37) 1938.93,677.44 1932,670.51 1932,573 2038.04,466.96 2038.04,410.36 2032.65,404.97 2032.65,368.35 2109,292 v1(2187,292)
  L6_BOT w5: J2.65@1909.77,679.04 1931.11,679.04 1932.13,680.06 1938.62,680.06 v1(1938.93,680.37)
BOOT_SW: B1.1 B1.3 R17.2 R18.2 R19.2 U13.3 | length 2509.1
  L1_TOP w8: v1(436.24,121.24) 530,215 v1(933,215) ; U13.3@2142,235.41 2145.25,238.66 2173.5,238.66 v1(2175,240.16)
  L3_HS w5: v1(933,215) 1086.5,61.5 1427.5,61.5 1537,-48 1863,-48 2151.16,240.16 v1(2175,240.16)
  L6_BOT w6: R19.2@877.3,342.64 R17.2@877.3,307.49 906.51,307.49 933,281 v1(933,215) ; R19.2@877.3,342.64 R18.2@877.35,379.83
  L6_BOT w8: B1.1@215.76,78.46 B1.3@436.24,78.46 v1(436.24,121.24)
CAM/SoM_FSYNC_1V8: J5.26 U6.4 | length 913.6
  L1_TOP w5: v1(2135.48,880.56) 2138.41,880.56 2147.62,889.76 2187.76,889.76 2266.5,968.5 2341.43,968.5 2353.24,980.32 2353.24,1007 U6.4@2352.36,1007.87
  L3_HS w5: v1(2135.48,880.56) 2206.72,880.56 2326.77,760.5 2326.77,627.23 2376.02,577.98 2376.02,514.16 v1(2394.59,495.59)
  L6_BOT w5: J5.26@2302.16,495.59 2302.37,495.79 2394.38,495.79 v1(2394.59,495.59)
CAM_378_CLK: J2.28 R51.2 R90.2 | length 385.9
  L3_HS w5: v1(1488,370) 1489.5,371.5 1756.5,371.5 v1(1757,372)
  L6_BOT w5: R51.2@1453,420.28 R90.2@1453,389.72 1481.28,389.72 1488,383 v1(1488,370) ; v1(1757,372) 1759.41,372 1767.23,379.82 J2.28@1788.51,379.82
CAM_378_CLK_1: J8.3 R51.1 | length 646.4
  L1_TOP w5: v1(1451.95,1013.05) 1452.51,1012.49 1452.51,978.29 J8.3@1453.08,977.72
  L6_BOT w5: v1(1451.95,1013.05) 1454,1011 1470,1011 1505.41,975.59 1505.41,901.41 1470,866 1470,530 1453,513 R51.1@1453,455.72
CAM_378_CLK_2: J7.3 R90.1 | length 523.9
  L1_TOP w5: J7.3@1784.25,185.3 1784.25,178.41 1770.93,165.09 1770.93,144.32 1784.25,131 v1(1785,131)
  L6_BOT w5: R90.1@1453,354.28 1454.97,354.28 1461.33,347.93 1461.33,345.96 1466.28,341 1497,341 1531,307 1531,252 1586,197 1682.82,197 1748.82,131 v1(1785,131)
CAM_378_PWR: J2.32 J8.9 R76.1 | length 1347.2
  L1_TOP w5: v1(1470,894) 1484.59,908.59 1496.97,908.59 1523.94,935.56 J8.9@1523.94,977.72
  L3_HS w5: v1(1470,894) 1470,997 1506.71,1033.71 1543,1070 1755,1070 1778,1047 1778,981 1785,974 1785,732 1871,646 1871,557.53 1865,551.53 1865,461.07 v1(1833.42,429.49)
  L6_BOT w5: R76.1@1442,847.68 1443.97,847.68 1452.3,856.01 1452.3,876.3 v1(1470,894) ; J2.32@1788.51,411.32 1815.25,411.32 v1(1833.42,429.49)
CAM_462_PWR: J2.42 J7.9 R49.1 | length 669.6
  L1_TOP w4.5: v1(1669,228) 1692,228 1713.39,206.61 J7.9@1713.39,185.3
  L6_BOT w4.3: R49.1@1646.68,228 v1(1669,228) 1751.94,145.06 1779.17,145.06 1798.26,145.06 1823.25,170.05 1823.25,214.62 1856,247.37 1856,443.4 1809.34,490.06 J2.42@1788.51,490.06
CAM_FSYNC: J3.6 Q1.2 R45.2 R53.1 R73.2 U6.1 | length 3156.9
  L1_TOP w5: Q1.2@372.05,222.25 374.02,220.29 Q1.2@377.6,220.29 414.54,220.29 R53.1@416.5,218.32 505.72,218.32 531.5,244.09 700.35,244.09 727.76,271.5 727.76,308.72 755.91,336.87 755.91,417.32 734,439.23 v1(734,496) ; v1(1246,1229) J3.6@1246,1293.77 ; v1(2047,965) 2047,908.94 2068.94,887 2115.87,840.08 2186.53,840.08 2267.72,921.26 U6.1@2301.18,921.26
  L3_HS w5: v1(1246,1229) 1261,1244 1727,1244 1743,1260 1865.98,1260 1915.56,1210.43 1915.56,1210.08 1924,1201.64 1924.35,1201.64 2015,1110.98 2015,997 v1(2047,965)
  L6_BOT w5: v1(734,496) 769.59,531.59 978.59,531.59 1131,684 1131,926 1107,950 1107,982 1143.35,1018.35 1143.35,1064.27 1137.59,1070.03 1137.59,1117.66 1246,1226.07 v1(1246,1229)
CAM_RGB_SYNC: J7.8 J8.8 R45.1 TP12.1 | length 2215.2
  L1_TOP w5: v1(1406,1068) 1406,1065.07 1409.99,1061.08 1409.99,1060.19 1440.17,1030.02 1497.39,1030.02 1511.84,1044.47 J8.8@1511.84,1074.18 ; J7.8@1725.49,88.85 1725.49,63.01 1743.5,45 1965,45 1995,75 1995,187 2002.98,194.98 2002.98,258.88 v1(2098.43,354.33) ; v1@2009.87,965.41 v1(2010.28,965) 2010.28,934 v1(2010.28,840.08)
  L3_HS w5: v1(1406,1068) 1462,1124 1615,1124 1632.67,1141.67 1655.33,1141.67 1674.25,1122.75 1765.25,1122.75 1923,965 v1(2010.28,965) ; v1(2010.28,840.08) 1992,821.79 1992,745 2009,728 2065,728 2116,677 2116,513 2098.43,495.43 v1(2098.43,354.33)
CAP: C30.1 U4.9 | length 60.7
  L1_TOP w5: U4.9@673.23,1276.57 673.23,1295.28 688.98,1311.02 C30.1@688.98,1330.71
CLK_N: R9.2 R36.2 U2.16 | length 194.7
  L1_TOP w4.2: R9.2@769.69,926.42 776.44,933.18 776.44,935.3 778.9,937.76 792.47,937.76 795.59,934.64 795.59,929.99 802.35,923.23 R36.2@803.15,923.23 803.95,923.23 810.7,929.99 810.7,934.64 813.16,937.1 842.52,937.1 854.79,924.83 854.79,923.23 854.79,903.94 847.54,903.94 847.54,886.75 854.79,886.75 854.79,880 854.79,873.33 851.58,870.12 U2.16@851.58,859.28
CLK_P: R8.2 R28.2 U2.15 | length 194.7
  L1_TOP w4.2: R8.2@769.69,958.42 776.44,951.66 776.44,949.54 778.9,947.08 792.47,947.08 794.93,949.54 794.93,953.52 801.69,960.28 R28.2@803.15,960.28 803.95,960.28 810.7,953.52 810.7,948.87 813.16,946.41 846.38,946.41 864.11,928.69 864.11,873.33 867.32,870.12 U2.15@867.32,859.28
ENV_SCL: R47.2 U4.15 | length 62.9
  L1_TOP w6: R47.2@494.09,1275.59 554.13,1275.59 U4.15@555.12,1276.57 ; U4.15@556.36,1283.46 U4.15@557.39,1284.5
ENV_SDA: R48.2 U4.16 | length 58.9
  L1_TOP w6: R48.2@494.07,1243.83 494.83,1244.59 U4.16@552.66,1244.59
FSYNC/SD0_SEL: J2.73 R46.2 U6.6 | length 526
  L1_TOP w5: v1(2087,912) 2179.81,912 2254.03,986.22 R46.2@2256,986.22 2289.37,986.22 2301.18,998.03 U6.6@2301.18,1007.87
  L6_BOT w5: J2.73@1909.77,742.03 1949.03,742.03 2087,880 v1(2087,912)